# KiCad board main.kicad_pcb (continued)
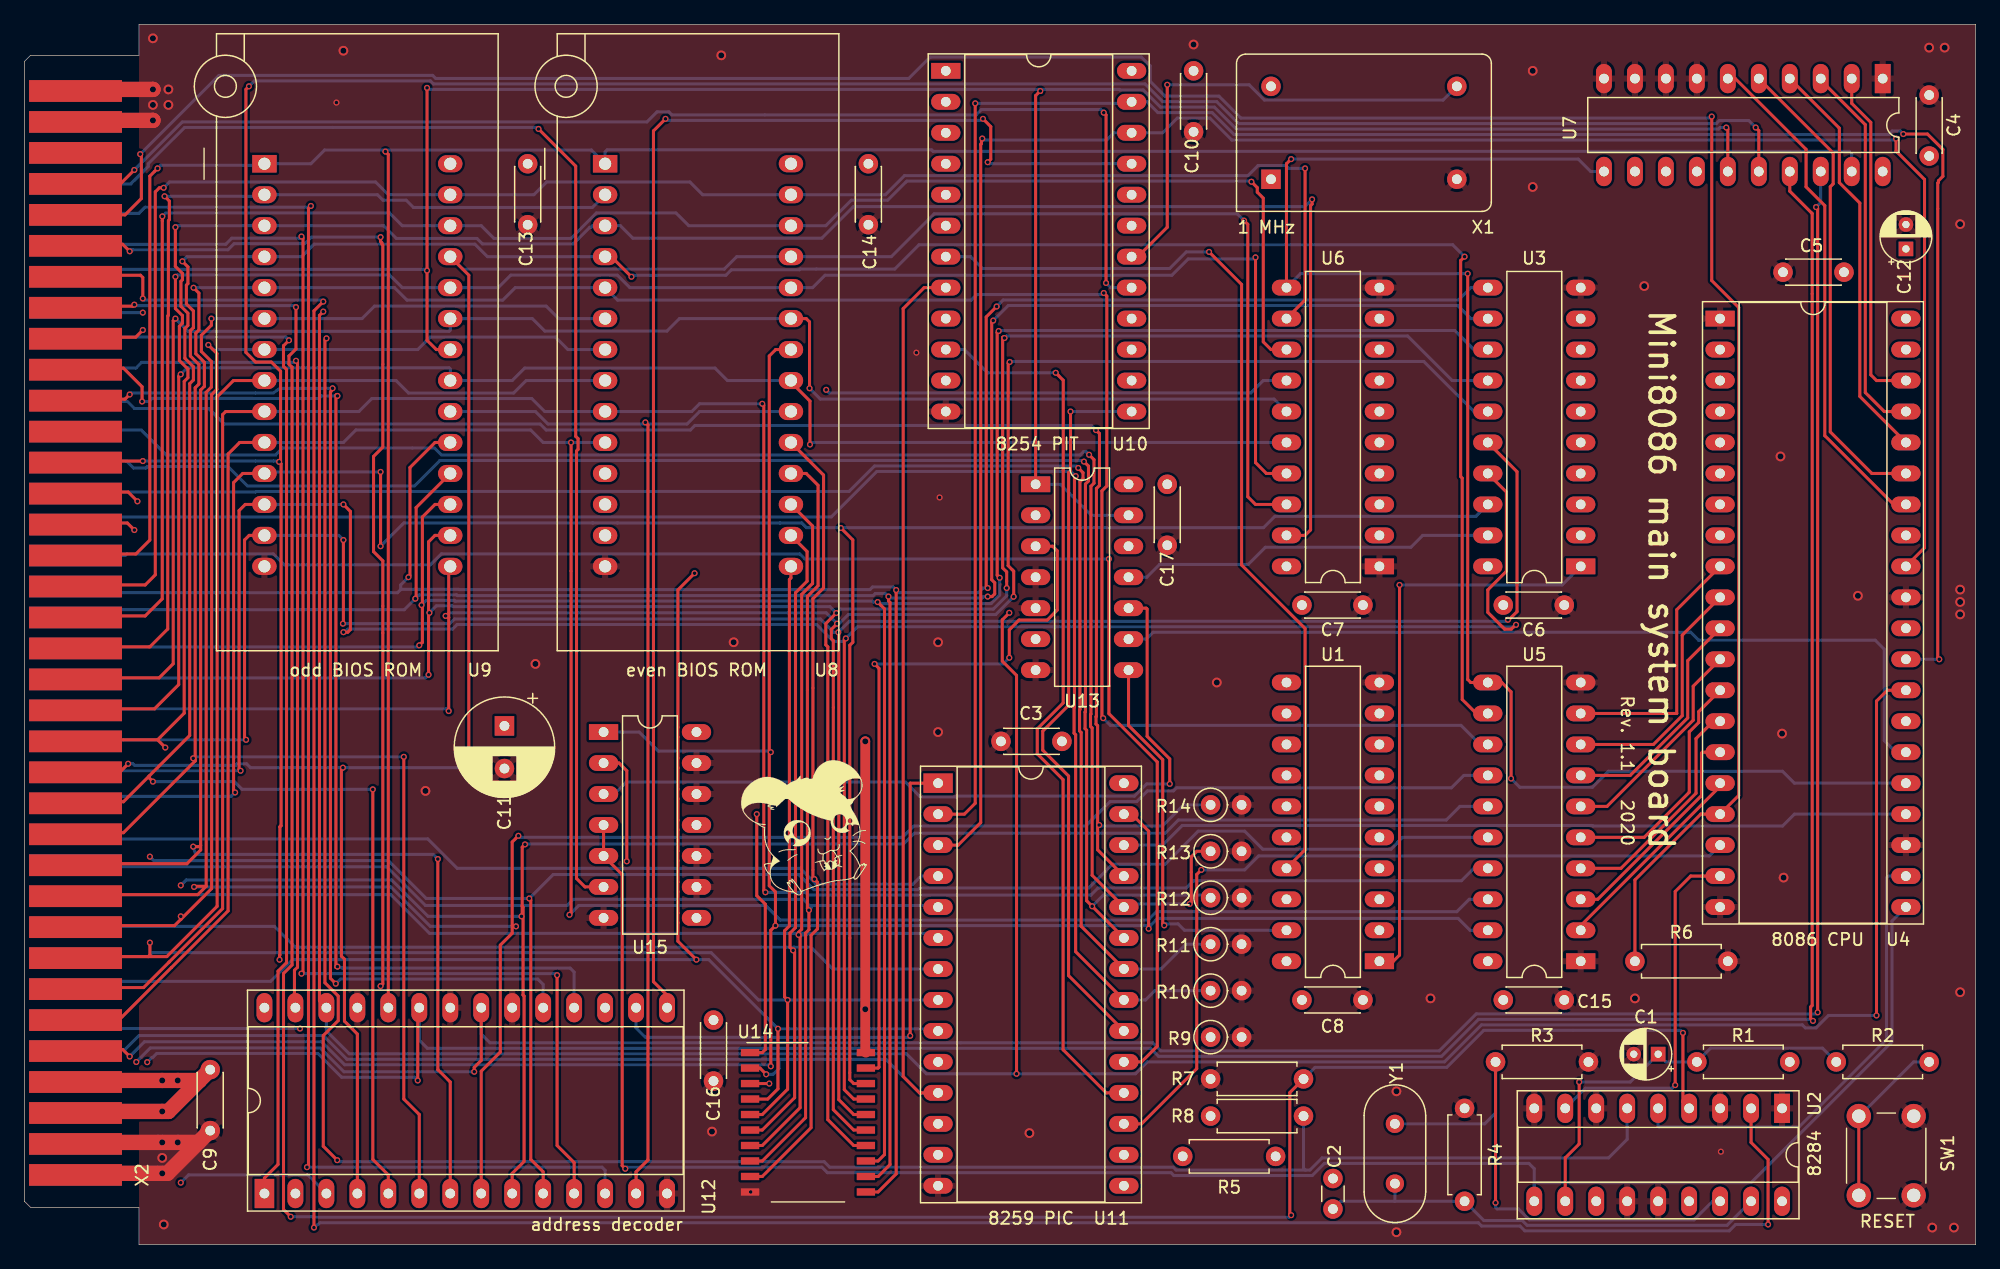
[diagram p0: board, top side]
## Routing (per net, layer and track width the routed paths; a pad name or vN(x,y) marks a point on that pad's centre or on a via; arc(x,y) is an arc through that point) (continued)
  In1.Cu w0.25: v2(10.29,31.82) v2(10.29,24.77)
  Bottom w0.25: v2(10.29,31.82) 10.61,31.5 29.85,31.5 32.95,28.39 v2(41.4,28.39) 43.37,30.35 63.5,30.35 64.74,29.11 73.31,29.11 73.45,29.25 87.29,29.25 88.64,30.61 88.64,30.63 89.22,31.2 93.56,31.2 96.27,33.91 100.08,33.91 101.56,32.43 112.08,32.43 112.65,33 112.65,33.02 113.03,33.4 U5.16 ; U8.8 41.15,70.87 40.12,69.84 31.51,69.84 30.48,70.87 U9.8
A4: length 233.6
  Top w0.25: 40.83,27.75 40.89,27.69 40.89,20.47 40.98,20.38 40.98,6.82 40.01,5.84 U12.9 ; 40.83,27.75 40.83,32.6 v2(41.06,32.83) ; 40.83,27.75 40.83,26.98 v2(40.77,26.92) ; 12.83,26.67 15.36,29.2 15.36,69.71 15.79,70.14 15.79,73.09 v2(15.09,73.79) ; 12.83,26.67 12.32,26.16 4.06,26.16 ; 12.83,26.67 v2(12.83,26.92)
  In1.Cu w0.25: v2(12.83,29.46) v2(12.83,26.92)
  Bottom w0.25: v2(40.77,26.92) 33.1,26.92 30.11,29.91 13.28,29.91 v2(12.83,29.46) ; v2(15.09,73.79) 15.47,73.41 U9.7 32.26,73.41 33.28,74.43 43.55,74.43 44.58,73.41 U8.7 ; v2(41.06,32.83) 41.1,32.87 72.11,32.87 72.99,33.74 93.56,33.74 94.64,34.83 116.61,34.83 117.73,35.94 U5.15
A5: length 233
  Top w0.25: 4.06,28.7 14.22,28.7 14.91,29.39 ; 14.91,29.39 13.96,29.39 v2(13.91,29.34) ; 14.91,29.39 14.91,69.9 15.34,70.33 15.34,72.43 14.51,73.25 14.51,74.58 15.34,75.4 v2(15.34,75.95) ; 40.01,26.16 40.01,25.54 39.03,24.56 39.03,15.79 37.46,14.22 U12.8 ; 40.01,26.16 40.06,26.1 v2(40.32,26.1) ; 40.01,26.16 40.01,33.02 v2(40.51,33.53)
  Bottom w0.25: v2(15.34,75.95) U9.6 27.69,75.95 28.71,76.97 42.79,76.97 43.82,75.95 U8.6 ; v2(40.32,26.1) 33.29,26.1 30.05,29.34 v2(13.91,29.34) ; U5.14 118.05,38.48 117.04,37.47 94.49,37.47 94.23,37.21 92.1,37.21 91.23,36.34 89.04,36.34 87.04,34.33 72.94,34.33 72.01,33.41 40.64,33.41 v2(40.51,33.53)
A6: length 250.7
  Top w0.25: v2(13.84,32.64) 14.35,32.64 14.46,32.74 ; 14.46,32.74 14.46,70.09 14.76,70.39 14.76,72.37 14.06,73.07 14.06,74.76 14.31,75.01 14.31,78.04 v2(13.87,78.48) ; 14.46,32.74 14.46,32.36 13.34,31.24 4.06,31.24 ; U12.7 34.93,13.33 33.91,14.35 v2(33.91,31.62) ; v2(88.52,78.04) 88.77,77.8 88.77,62.22 88.37,61.81 88.37,43.28 v2(88.47,43.18)
  Bottom w0.25: U5.13 119.38,41.02 117.82,42.59 89.06,42.59 v2(88.47,43.18) ; v2(33.91,31.62) 33.53,32 14.04,32 v2(13.84,32.64) ; v2(13.87,78.48) 13.88,78.49 U9.5 30.35,78.49 31.38,77.46 39.23,77.46 40.26,78.49 U8.5 48.65,77.46 77.64,77.46 78.1,77.92 88.39,77.92 v2(88.52,78.04)
A7: length 255.7
  Top w0.25: U8.4 48.13,81.03 v2(49.78,79.38) ; 14.01,39.66 14.01,70.27 14.31,70.58 14.31,72.18 13.61,72.88 13.61,74.95 13.86,75.2 13.86,76.57 13.29,77.15 13.29,78.69 13.41,78.82 13.41,80.19 v2(12.95,80.64) ; 14.01,39.66 8.12,33.78 4.06,33.78 ; 14.01,39.66 14.01,39.72 v2(13.84,39.89) ; v2(31.12,40) 31.12,11.94 32.38,10.67 U12.6 ; v2(118.11,81.03) 117.79,80.7 117.79,62.99 117.91,62.86 117.91,44.71 119.06,43.56 U5.12
  Bottom w0.25: v2(118.11,81.03) 117.13,82 73.37,82 71.38,80.01 63.63,80.01 63.57,79.95 57.98,79.95 57.53,79.5 49.91,79.5 v2(49.78,79.38) ; v2(12.95,80.64) 13.34,81.03 U9.4 22.73,81.03 23.76,82.05 36.95,82.05 37.97,81.03 U8.4 ; v2(13.84,39.89) 13.96,40 v2(31.12,40)
A8: length 232.6
  Top w0.25: v2(12.39,83.44) 12.38,83.43 12.38,80.23 12.96,79.65 12.96,79.13 12.84,79 12.84,76.96 13.41,76.39 13.41,75.39 13.16,75.14 13.16,72.69 13.86,71.99 13.86,70.91 13.56,70.61 13.56,41.75 10.22,38.42 ; 4.06,36.32 8.12,36.32 10.22,38.42 ; v2(28.58,37.34) 28.58,6.98 29.85,5.72 U12.5 ; v2(105.61,85.72) 105.61,85.34 105.48,85.22 105.48,58.62 105.03,58.17 103.51,58.17 ; v2(10.54,37.97) 10.22,38.29 10.22,38.42
  Bottom w0.25: v2(10.54,37.97) 17.22,37.97 17.86,37.34 v2(28.58,37.34) ; v2(105.61,85.72) 105.01,85.13 67.99,85.13 65.4,82.54 49.9,82.54 48.88,83.57 U8.3 46.61,83.57 46.48,83.44 46.38,83.44 45.01,82.07 37.56,82.07 37.11,82.52 30.51,82.52 29.46,83.57 U9.3 12.51,83.57 v2(12.39,83.44)
A9: length 204.8
  Top w0.25: v2(36.45,39.12) 36.45,79.5 U9.25 ; 4.06,38.86 7.93,38.86 v2(8.51,39.44) ; U12.4 27.3,17.27 26.25,18.33 26.25,23.41 26,23.66 26,38.99 v2(26.12,39.12) ; v2(100.03,83.98) 100.33,83.68 100.33,61.34 100.97,60.71 103.51,60.71
  Bottom w0.25: v2(36.45,39.12) 18.54,39.12 18.22,39.44 17.46,39.44 17.33,39.31 9.02,39.31 8.89,39.44 v2(8.51,39.44) ; v2(100.03,83.98) 99.47,84.54 74.61,84.54 71.1,81.03 U8.25 58.42,81.03 57.39,80 35.95,80 U9.25
A10: length 209.9
  Top w0.25: v2(100.97,80.97) 100.97,64.13 101.85,63.25 103.51,63.25 ; v2(11.56,40.77) 10.92,41.4 ; 10.92,41.4 13.11,43.59 13.11,70.79 13.41,71.1 13.41,71.81 12.71,72.51 12.71,75.32 12.96,75.57 12.96,76.19 12.39,76.77 v2(12.39,79.38) ; 10.92,41.4 4.06,41.4
  In1.Cu w0.25: v2(11.56,40.77) 11.56,15.48 9.65,13.57 9.65,6.22 10.8,5.08 v2(12.83,5.08)
  Bottom w0.25: v2(100.97,80.97) 100.84,80.84 95.44,80.84 94.11,79.5 65.66,79.5 64.64,78.49 U8.24 49.66,78.49 48.63,79.51 39.89,79.51 38.86,78.49 U9.24 30.99,78.49 29.94,79.53 12.54,79.53 v2(12.39,79.38) ; v2(12.83,5.08) 13.46,5.72 23.24,5.72 U12.3
A11: length 132.1
  Top w0.25: v2(12.82,71.37) 12.66,71.21 12.66,45.93 10.67,43.94 4.06,43.94 ; v2(64.43,65.62) 64.43,69.18 62.87,70.74 U8.21
  Bottom w0.25: U8.21 57.66,70.87 56.63,71.89 41.03,71.89 40.01,70.87 U9.21 34.93,71.82 34.83,71.91 13.36,71.91 v2(12.82,71.37) ; 103.51,65.79 64.59,65.79 v2(64.43,65.62)
A12: length 136.7
  Top w0.25: v2(12.39,75.95) 12.21,75.77 12.21,47.64 11.05,46.48 4.06,46.48 ; v2(64.39,70.23) 64.39,75.67 64.12,75.95 U8.23
  Bottom w0.25: v2(64.39,70.23) 65.27,69.35 102.48,69.35 103.51,68.33 ; v2(12.39,75.95) 13.43,74.9 34.83,74.9 34.93,75 U9.23 41.66,75.95 42.68,74.92 52.7,74.92 53.72,75.95 U8.23
A13: length 151.7
  Top w0.25: v2(11.5,85.98) 11.89,85.59 11.89,84.05 11.81,83.98 11.81,76.22 11.76,76.17 11.76,50.49 10.29,49.02 4.06,49.02
  In1.Cu w0.25: U8.2 53.21,86.11 54.54,84.78 64.06,84.78 65.75,83.09 v2(65.75,70.1)
  Bottom w0.25: v2(11.5,85.98) 19.56,85.98 U9.2 28.96,86.11 29.41,85.66 31.31,85.66 31.91,85.06 46.58,85.06 U8.2 ; v2(65.75,70.1) 66,69.85 100.59,69.85 101.6,70.87 103.51,70.87
A14: length 148
  Top w0.25: v2(11.31,84.33) 11.31,83.97 11.31,83.97 11.31,52.96 9.91,51.56 4.06,51.56 ; 103.51,73.41 102.24,73.41 101.6,74.04 101.6,85.83 101.11,86.32 101.11,86.69 v2(100.63,87.17)
  Bottom w0.25: v2(100.63,87.17) 100.58,87.22 72.36,87.22 70.8,85.66 67.82,85.66 65.73,83.57 U8.26 54.48,83.57 53.44,84.61 46.91,84.61 44.82,82.52 38.51,82.52 37.46,83.57 U9.26 30.99,83.57 29.94,84.61 11.6,84.61 v2(11.31,84.33)
A15: length 148.4
  Top w0.25: v2(105.03,88.26) 105.03,88.26 105.03,77.47 103.51,75.95 ; 4.06,54.1 9.91,54.1 10.74,54.93 10.74,86.34 11.07,86.68 v2(11.42,86.68)
  Bottom w0.25: v2(11.42,86.68) 11.9,87.15 28.8,87.15 29.85,86.11 U9.27 41.78,86.11 42.83,87.15 54.58,87.15 55.63,86.11 U8.27 70.61,86.11 72.18,87.67 100.34,87.67 101.17,88.5 103.43,88.5 103.67,88.26 v2(105.03,88.26)
A16: length 250.4
  Top w0.25: v2(29.61,89.65) 29.85,89.41 U12.24 ; v2(10.92,88.26) 10.29,87.63 10.29,57.78 9.14,56.64 4.06,56.64
  Bottom w0.25: v2(10.92,88.26) 11.18,88.52 19.56,88.52 U9.1 23.49,88.65 24.62,89.77 46.5,89.77 U8.1 47.63,89.62 47.8,89.79 74.4,89.79 74.52,89.66 149.66,89.66 149.86,89.46 U7.19
A17: length 266.3
  Top w0.25: U12.21 37.46,15.1 36.89,14.53 v2(36.89,14.18) ; v2(9.02,58.61) 8.44,59.18 4.06,59.18 ; v2(146.94,85.09) 147.07,84.96 v2(147.07,19.05)
  In1.Cu w0.25: v2(9.18,14.98) 9.27,15.07 9.27,58.36 v2(9.02,58.61)
  Bottom w0.25: v2(146.94,85.09) 147.32,85.47 U7.18 ; v2(36.89,14.18) 26.21,14.18 24.25,16.13 10.33,16.13 v2(9.18,14.98) ; U12.21 37.46,17.27 38.19,16.55 92.54,16.55 93.2,15.89 116.03,15.89 119.06,18.92 146.94,18.92 v2(147.07,19.05)
A18: length 270.6
  Top w0.25: v2(146.68,18.35) 146.49,18.54 146.49,19.49 146.62,19.62 146.62,84.56 144.78,86.4 U7.17 ; v2(9.27,60.96) 8.51,61.72 4.06,61.72 ; v2(32.26,13.46) 32.26,19.3 U12.23
  In1.Cu w0.25: v2(10.07,14.96) 9.72,15.32 9.72,60.51 v2(9.27,60.96)
  Bottom w0.25: v2(32.26,13.46) 31.99,13.73 26.02,13.73 24.07,15.68 10.85,15.68 10.53,15.36 10.47,15.36 v2(10.07,14.96) ; v2(146.68,18.35) 146.56,18.47 119.25,18.47 116.22,15.44 93.01,15.44 92.36,16.1 33.05,16.1 32.38,16.76 U12.23
A19: length 240.3
  Top w0.25: U7.16 142.24,91.36 v2(141.99,91.62) ; v2(18.41,95) 18.17,94.75 18.17,73.18 18.96,72.38 20.26,72.38 21.01,71.63 21.01,64.32 v2(20.89,64.2) 21.05,64.04 21.05,34.36 ; v2(9.71,64.26) 4.06,64.26 ; 20.96,34.26 20.96,23.75 20.92,23.72 v2(20.92,23.37) ; 20.96,34.26 21.05,34.36 ; 20.96,34.26 21.05,34.36
  In1.Cu w0.25: U12.2 21.33,4.19 21.21,4.31 21.21,23.08 v2(20.92,23.37)
  Bottom w0.25: v2(18.41,95) 18.86,95.44 33.3,95.44 33.55,95.19 91.9,95.19 93.36,93.74 97.78,93.74 99.58,91.94 138.75,91.94 139,92.19 141.41,92.19 v2(141.99,91.62) ; v2(20.89,64.2) 20.83,64.26 20.42,64.26 20.41,64.27 18.96,64.27 18.95,64.26 v2(9.71,64.26)
AD0: length 34.1
  Top w0.25: U4.16 139.06,37.59 127.64,26.16 U5.2
  In1.Cu w0.25: U5.2 124.46,25.78 123.48,26.76 116.04,26.76 115.06,25.78 U1.2
AD1: length 35.8
  Top w0.25: U4.15 137.62,40.39 137.54,40.31 137.54,36.83 129.03,28.32 U5.3
  In1.Cu w0.25: U1.3 115.82,28.32 116.8,29.3 122.72,29.3 123.7,28.32 U5.3
AD2: length 36.4
  Top w0.25: U5.4 130.93,30.86 137.09,37.02 137.09,41.5 138.52,42.93 U4.14
  In1.Cu w0.25: U1.4 115.57,30.86 116.55,31.84 122.72,31.84 123.7,30.86 U5.4
AD3: length 37.2
  Top w0.25: U4.13 137.31,43.71 137.31,42.82 136.54,42.05 136.54,37.1 132.84,33.4 U5.5
  In1.Cu w0.25: U5.5 123.95,33.4 122.98,34.38 116.55,34.38 115.57,33.4 U1.5
AD4: length 35.4
  Top w0.25: U4.12 136.86,45.8 136.86,43.01 129.79,35.94 U5.6
  In1.Cu w0.25: U1.6 115.32,35.94 116.29,36.92 123.23,36.92 124.21,35.94 U5.6
AD5: length 36.5
  Top w0.25: U4.11 136.41,47.89 136.41,43.2 131.69,38.48 U5.7
  In1.Cu w0.25: U1.7 115.06,38.48 116.04,39.46 123.48,39.46 124.46,38.48 U5.7
AD6: length 37.6
  Top w0.25: U5.8 133.6,41.02 135.96,43.38 135.96,49.98 U4.10
  In1.Cu w0.25: U5.8 124.46,41.02 123.48,42 116.04,42 115.06,41.02 U1.8
AD7: length 38.7
  Top w0.25: U5.9 135.5,43.56 135.51,43.57 135.51,52.07 139.06,55.63
  In1.Cu w0.25: U1.9 115.06,43.56 116.04,44.54 123.74,44.54 124.71,43.56 U5.9
AD8: length 28.7
  In1.Cu w0.25: U6.2 112.65,58.17 113.62,59.14 124.37,59.14 125.35,58.17 U3.2 U4.8
AD9: length 28.7
  In1.Cu w0.25: U4.7 U3.3 125.35,60.71 124.37,61.68 113.62,61.68 112.65,60.71 U6.3
AD10: length 28.7
  In1.Cu w0.25: U4.6 U3.4 125.09,63.25 124.12,64.22 113.62,64.22 112.65,63.25 U6.4
AD11: length 28.7
  In1.Cu w0.25: U4.5 U3.5 125.09,65.79 124.12,66.76 113.62,66.76 112.65,65.79 U6.5
AD12: length 28.7
  In1.Cu w0.25: U6.6 112.65,68.33 113.62,69.3 124.12,69.3 125.09,68.33 U3.6 U4.4
AD13: length 28.7
  In1.Cu w0.25: U6.7 112.65,70.87 113.62,71.84 124.12,71.84 125.09,70.87 U3.7 U4.3
AD14: length 28.7
  In1.Cu w0.25: U4.2 U3.8 125.35,73.41 124.37,74.38 113.62,74.38 112.65,73.41 U6.8
AD15: length 45
  In1.Cu w0.25: U6.9 112.65,75.95 113.62,74.97 124.37,74.97 125.35,75.95 U3.9 129.67,75.95 131.23,74.38 151.81,74.38 152.78,73.41 U4.39
AD16: length 28
  Top w0.25: U4.38 151.89,70.87 151.42,71.33 151.42,92.03 149.86,93.6 U7.2
AD17: length 31.2
  Top w0.25: U7.3 147.32,95.5 150.97,91.85 150.97,69.88 152.53,68.33 U4.37
AD18: length 33.8
  Top w0.25: U7.4 148.84,91.57 148.84,87.1 150.52,85.42 150.52,69.57 U4.36
AD19: length 39.2
  Top w0.25: U7.5 148.34,89.53 148.34,87 148.1,86.76 148.1,66.66 151.51,63.25 U4.35
D0: length 242.3
  Top w0.25: 59.51,14.48 60.33,14.48 v2(60.83,13.97) ; U11.11 73.41,12.45 72.07,13.78 72.07,76.77 73.79,78.49 U10.8
  In1.Cu w0.25: U11.11 76.46,12.45 82.51,18.5 93.05,18.5 98.7,24.15 98.7,25.18 99.93,26.42 100.46,26.42 102.36,28.32 103.51,28.32 ; U8.11 45.85,61.47 45.85,55.64 47.81,53.68 63.95,53.68 69.48,59.21 69.48,76.21 71.75,78.49 U10.8
  Bottom w0.25: 4.06,16 8.26,16 9.4,17.14 24.51,17.14 26.45,15.2 61.89,15.2 ; v2(60.83,13.97) 61.41,13.97 61.89,14.45 61.89,15.2 ; U11.11 73.41,12.45 70.65,15.2 61.89,15.2
D1: length 244.3
  Top w0.25: v2(97.16,81.42) 99.82,78.75 99.82,55.74 105.03,50.53 105.03,32.39 103.51,30.86 ; U14.3 v2(61.09,13.21)
  In1.Cu w0.25: 61.98,15.24 60.81,15.24 60.55,14.99 25.4,14.99 22.67,17.72 v2(22.61,17.72) ; 61.98,15.24 61.79,15.05 61.79,13.91 v2(61.09,13.21) ; 61.98,15.24 74.68,15.24 74.93,14.99 78.36,14.99 84.42,21.04 92.04,21.04 97.87,26.87 99.91,26.87 103.51,30.47 103.51,30.86 ; U10.7 73.66,81.03 69.03,76.4 69.03,59.4 63.76,54.13 51.02,54.13 48.03,57.12 46.91,57.12 46.3,57.73 46.3,59.38 U8.12
  Bottom w0.25: v2(97.16,81.42) 95.29,81.42 93.92,80.05 78.57,80.05 77.6,81.03 U10.7 ; v2(22.61,17.72) 4.89,17.72 4.06,18.54
D2: length 202.4
  Top w0.25: v2(54.96,55.06) 53.59,53.69 53.59,42.44 53.59,42.44 53.59,41.63 53.59,41.63 53.59,39.9 53.59,39.9 53.59,39.09 53.59,39.09 53.59,37.36 53.59,37.36 53.59,36.55 53.59,36.55 53.59,34.82 53.59,34.82 53.59,34.01 53.59,34.01 53.59,32.28 53.59,32.28 53.59,31.47 53.59,31.47 53.59,29.74 53.59,29.74 53.59,28.93 53.59,28.93 53.59,27.2 53.59,27.2 53.59,26.39 53.59,26.39 53.59,24.88 v2(55.11,23.37) ; v2(61.8,17.7) 61.8,12.78 60.96,11.94 U14.4
  In1.Cu w0.25: 74.93,17.53 80.26,17.53 86.32,23.58 93.81,23.58 97.55,27.32 97.82,27.32 98.41,27.91 98.41,28.94 102.87,33.4 103.51,33.4 ; 54.71,54.58 63.58,54.58 68.58,59.58 68.58,76.58 75.56,83.57 75.56,83.57 ; 54.71,54.58 51.21,54.58 U8.13 ; 54.71,54.58 54.71,54.81 v2(54.96,55.06)
  Bottom w0.25: 55.11,23.38 v2(55.11,23.37) ; 55.11,23.38 56.13,23.38 v2(61.8,17.7) 74.76,17.7 74.93,17.53 ; 55.11,23.38 21.98,23.38 20.19,21.59 4.57,21.59 4.06,21.08
D3: length 192.3
  Top w0.25: U8.15 62.87,54.68 62.74,54.55 62.74,26.13 62.34,25.74 62.34,20.32 v2(62.59,20.07) 62.59,12.75 60.51,10.67 U14.5
  In1.Cu w0.25: U8.15 68.13,60.89 68.13,76.77 72.41,81.05 72.41,84.73 73.79,86.11 U10.5 ; 103.51,35.94 101.55,35.94 98.41,32.8 98.41,31.77 96.8,30.16 95.31,30.16 91.27,26.12 82.44,26.12 76.38,20.07 U11.8
  Bottom w0.25: 4.06,23.62 10.16,23.62 10.48,23.94 56.32,23.94 60.2,20.07 v2(62.59,20.07) U11.8
D4: length 199.7
  Top w0.25: U8.16 64.19,56.84 64.19,54.41 63.24,53.46 63.24,26 62.79,25.55 62.79,24.38 v2(63.04,24.13) 63.17,24.01 63.17,12.05 60.51,9.4 U14.6
  In1.Cu w0.25: 74.93,22.61 78.23,22.61 84.29,28.66 88.53,28.66 89.12,29.25 91.73,29.25 92.6,30.11 92.6,33.05 98.03,38.48 103.51,38.48 ; U8.16 64.64,58.17 67.68,61.2 67.68,76.96 71.96,81.24 71.96,87.33 73.28,88.65 75.56,88.65
  Bottom w0.25: 63.11,24.39 64.51,24.39 66.29,22.61 74.93,22.61 ; 63.11,24.39 22.22,24.39 20.51,26.1 4.13,26.1 ; 63.11,24.39 63.11,24.2 v2(63.04,24.13)
D5: length 204
  Top w0.25: U8.17 64.64,58.93 64.64,54.22 63.74,53.33 63.74,25.87 63.49,25.61 v2(63.49,25.4) 63.62,25.28 63.62,11.23 60.51,8.13 59.51,8.13
  In1.Cu w0.25: U10.3 73.79,91.19 71.51,88.91 71.51,81.43 67.23,77.14 67.23,61.39 66.55,60.71 U8.17 ; 103.51,41.02 99.93,41.02 92.15,33.23 92.15,32.18 91.31,31.34 89.03,31.34 86.94,29.25 80.48,29.25 76.38,25.15 U11.6
  Bottom w0.25: 64.26,25.53 33.23,25.53 30.05,28.7 4.06,28.7 ; 64.26,25.53 64.13,25.4 v2(63.49,25.4) ; 64.26,25.53 74.55,25.53 U11.6
D6: length 208.9
  Top w0.25: U14.8 60.51,6.86 64.07,10.41 64.07,25.55 64.34,25.83 v2(64.34,27.43) 64.22,27.56 64.22,53.16 65.09,54.04 65.09,62.27 64.12,63.25 U8.18
  In1.Cu w0.25: 74.93,27.69 76.38,27.69 79.9,31.2 87.94,31.2 88.53,31.79 91.12,31.79 91.7,32.36 91.7,33.42 101.84,43.56 103.51,43.56 ; U8.18 65.47,63.25 66.78,64.56 66.78,77.33 71.06,81.61 71.06,92.65 72.14,93.73 U10.2
  Bottom w0.25: 74.93,27.69 74.8,27.81 64.52,27.81 ; 4.32,30.99 29.72,30.99 32.89,27.81 44.51,27.81 45.02,28.32 63.88,28.32 64.39,27.81 64.52,27.81 ; v2(64.34,27.43) 64.52,27.61 64.52,27.81
D7: length 210.3
  Top w0.25: U14.9 60.51,5.59 64.52,9.59 64.52,25.37 65.04,25.89 65.04,29.72 v2(64.79,29.97) 64.67,30.1 64.67,52.98 65.54,53.85 65.54,63.11 U8.19
  In1.Cu w0.25: 103.51,46.1 101.4,46.1 92.16,36.87 83.02,36.87 76.38,30.23 U11.4 ; U10.1 74.04,96.27 70.61,92.84 70.61,81.8 66.33,77.52 66.33,68.55 63.56,65.79 U8.19
  Bottom w0.25: 64.93,29.56 64.93,29.84 v2(64.79,29.97) ; 64.93,29.56 63.63,30.86 35.5,30.86 33.08,33.27 4.57,33.27 4.06,33.78 ; 64.93,29.56 72.87,29.56 73.53,30.23 U11.4
D8: length 197.3
  Top w0.25: U14.18 68.01,13.21 67.69,13.53 67.69,49.15 67.94,49.4 67.94,57.79 v2(66.96,58.77) ; U9.11 17.91,63.25 17.16,62.5 17.16,37.21 v2(17.28,37.08) ; v2(29.21,57.28) v2(29.21,63.37)
  Bottom w0.25: U3.18 119.04,59.73 102.55,59.73 101.62,58.8 64.13,58.8 63.74,59.19 61.99,59.19 61.98,59.18 48.64,59.18 48.63,59.19 46.62,59.19 46.61,59.18 46.6,59.19 31.12,59.19 v2(29.21,57.28) ; v2(29.21,63.37) 19.81,63.37 U9.11 ; 4.06,36.32 4.51,36.77 16.96,36.77 v2(17.28,37.08)
D9: length 207.4
  Top w0.25: U14.17 68.01,11.94 67.24,12.71 67.24,49.59 v2(67.37,49.71) ; v2(122.33,50.83) 122.3,50.83 121.94,50.48 121.39,50.48 120.02,51.85 120.02,53.7 121.54,55.22 121.54,61.72 U3.17 ; v2(26.16,60.71) 26.74,60.13 26.74,50.45 26.52,50.23 v2(26.17,50.23) ; v2(17.73,38.86) 17.61,38.99 17.61,60.2 18.11,60.71 U9.12
  Bottom w0.25: v2(26.17,50.23) 26.26,50.23 26.51,50.48 35.11,50.48 35.49,50.86 64.97,50.86 66.36,49.46 67.12,49.46 v2(67.37,49.71) 68.32,50.67 122.17,50.67 v2(122.33,50.83) ; v2(17.73,38.86) 4.06,38.86 ; v2(26.16,60.71) U9.12
D10: length 199.4
  Top w0.25: v2(18.18,41.4) 18.06,41.53 18.06,57.79 18.44,58.17 U9.13 ; U14.16 68.01,10.67 66.79,11.89 66.79,50.18 v2(66.75,50.22) ; v2(26.12,50.93) 26.16,50.96 v2(26.16,57.78) ; U3.16 122.41,63.39 122.41,51.91 121.75,51.25 v2(121.67,51.25)
  Bottom w0.25: v2(121.67,51.25) 121.54,51.12 67.66,51.12 v2(66.75,50.22) 66.37,50.22 65.28,51.31 35.27,51.31 34.89,50.93 v2(26.12,50.93) ; v2(26.16,57.78) 25.78,58.17 U9.13 ; v2(18.18,41.4) 4.06,41.4
D11: length 194.9
  Top w0.25: v2(34.54,51.56) 34.67,51.56 34.8,51.44 ; v2(81.13,53.14) 81.13,53.14 81.13,55.23 80.68,55.69 80.68,72.3 80.77,72.39 v2(80.8,72.39) ; 34.8,51.44 34.8,55.5 U9.15 ; 34.8,51.44 v2(34.8,43.76) ; v2(66.65,50.92) 66.18,50.45 66.18,49.69 66.34,49.53 66.34,11.07 68.01,9.4 U14.15
  Bottom w0.25: 4.06,43.94 34.62,43.94 v2(34.8,43.76) ; v2(80.8,72.39) 80.84,72.43 114.77,72.43 118.87,68.33 U3.15 ; v2(34.54,51.56) 34.8,51.82 65.75,51.82 v2(66.65,50.92) 66.65,50.93 66.83,50.93 67.57,51.67 79.66,51.67 v2(81.13,53.14)
D12: length 199.2
  Top w0.25: v2(33.15,46.74) 33.15,57.64 33.68,58.17 U9.16 ; 69.01,8.13 68.01,8.13 65.89,10.25 65.89,49.02 65.73,49.19 65.73,50.94 v2(66.59,51.8) ; v2(80.38,74.35) 80.31,74.42 80.25,74.42 80.23,74.4 80.23,55.5 80.56,55.17 v2(80.56,53.85)
  Bottom w0.25: v2(80.38,74.35) 80.54,74.52 113.44,74.52 117.09,70.87 U3.14 ; v2(33.21,51.82) 33.79,52.39 35.07,52.39 35.14,52.32 66.06,52.32 v2(66.59,51.8) 66.91,52.12 79.47,52.12 80.56,53.21 v2(80.56,53.85) ; v2(33.15,46.74) 32.89,46.48 4.06,46.48
D13: length 199.6
  Top w0.25: U14.13 70.01,6.86 70.54,7.38 70.54,52.14 v2(69.98,52.7) ; 79.78,74.83 79.88,74.93 v2(79.9,74.93) 79.78,74.8 79.78,54.89 v2(79.98,54.69) ; U9.17 33.68,60.71 32.64,59.67 32.64,49.4 v2(32.39,49.15)
  Bottom w0.25: v2(79.9,74.93) 79.94,74.97 117.31,74.97 118.87,73.41 U3.13 ; 4.06,49.02 32.26,49.02 v2(32.39,49.15) ; v2(79.98,54.69) 79.98,53.28 79.28,52.57 78.59,52.57 ; 78.49,52.57 70.1,52.57 v2(69.98,52.7) 69.62,52.7 69.55,52.77 35.33,52.77 35.26,52.84 32.96,52.84 v2(32.57,52.45)
D14: length 201.2
  Top w0.25: v2(70.87,53.15) 70.87,52.79 70.99,52.67 70.99,6.56 70.01,5.59 U14.12 ; v2(32.06,52.98) 32.13,53.04 32.13,60.45 U9.18 ; v2(79,53.15) 79.36,53.15 79.58,53.37 79.58,54.28 79.33,54.53 79.33,75.66 v2(79.45,75.79)
  Bottom w0.25: 4.06,51.56 4.57,52.07 31.15,52.07 v2(32.06,52.98) 32.38,53.29 35.45,53.29 35.51,53.23 69.61,53.23 69.78,53.4 70.62,53.4 v2(70.87,53.15) 70.99,53.02 78.52,53.02 78.65,53.15 v2(79,53.15) ; v2(79.45,75.79) 80.69,77.02 117.54,77.02 118.62,75.95 U3.12
D15: length 205.8
  Top w0.25: v2(71.49,53.69) 71.49,5.8 70.01,4.32 69.01,4.32 ; U9.19 33.68,65.79 31.62,63.73 31.62,54.86 v2(31.5,54.74) ; v2(79,53.85) 78.88,53.97 78.88,76.08 v2(79.73,76.94)
  Bottom w0.25: 4.06,54.1 4.7,53.47 30.61,53.47 30.86,53.72 ; 30.86,53.72 30.86,54.1 v2(31.5,54.74) ; 30.86,53.72 30.88,53.74 35.63,53.74 35.65,53.72 69.34,53.72 69.56,53.94 71.24,53.94 v2(71.49,53.69) 71.49,53.47 71.49,53.47 78.24,53.47 78.61,53.85 v2(79,53.85) ; U3.11 118.62,78.49 117.6,77.47 80.27,77.47 v2(79.73,76.94)
DT_~{R}: length 79.6
  Top w0.25: v2(112.78,54.1) 112.78,23.75 112.27,23.24 U1.1
  In1.Cu w0.25: U4.27 152.91,42.93 141.18,54.65 130.71,54.65 129.73,55.63 U3.1
  Bottom w0.25: U3.1 126.11,54.1 v2(112.78,54.1)
INT: length 67.7
  Top w0.25: 90.17,9.91 91.62,9.91 96.14,14.43 96.14,30.36 v2(96.52,30.73)
  Bottom w0.25: U4.18 138.18,31.88 101.22,31.88 100.08,30.73 v2(96.52,30.73)
IRQ1: length 138.5
  Top w0.25: v2(88.94,56.23) 88.94,43.55 92.91,39.58 92.91,16.27 91.62,14.99 90.17,14.99
  In1.Cu w0.25: 90.17,14.99 91.57,14.99 93.6,17.02 R9.1
  Bottom w0.25: X2.57 8.25,56.52 8.39,56.65 20.41,56.65 21.31,55.75 33.3,55.75 34.2,56.65 63.59,56.65 64.01,56.23 v2(88.94,56.23)
IRQ3: length 136.2
  Top w0.25: U11.21 86.22,24.02 86.22,41.82 86.08,41.95 86.08,44.04 86.12,44.08 86.12,62.93 v2(86.22,63.03)
  Bottom w0.25: R10.1 92.71,20.83 91.95,20.07 U11.21 ; v2(86.22,63.03) 85.84,63.41 69.91,63.41 66.18,59.68 4.56,59.68 4.06,59.18
IRQ4: length 134.1
  Top w0.25: v2(86.43,63.7) 86.82,63.31 86.82,62.82 86.57,62.57 86.57,43.89 86.53,43.86 86.53,42.13 86.67,42 86.67,26.11 90.17,22.61
  Bottom w0.25: 4.06,61.72 18.95,61.72 19,61.77 67.63,61.77 69.72,63.86 86.26,63.86 v2(86.43,63.7) ; 90.17,22.61 93.22,22.61 95.25,24.64 R11.1
IRQ5: length 135.5
  Top w0.25: U11.23 v2(87.57,27.75) 87.12,28.2 87.12,42.19 86.98,42.32 86.98,43.67 87.02,43.7 87.02,62.38 87.27,62.63 87.27,63.85 v2(86.9,64.22)
  Bottom w0.25: R12.1 97.07,28.66 88.48,28.66 v2(87.57,27.75) ; 4.06,64.26 8.38,64.26 8.96,63.69 9.97,63.69 10.09,63.81 16.71,63.81 18.3,62.22 31.99,62.22 34.08,64.31 86.8,64.31 v2(86.9,64.22)
IRQ6: length 134.5
  Top w0.25: v2(95.57,27.94) 95.69,28.06 95.69,31.8 96.15,32.26 R13.1 ; 90.17,27.69 87.57,30.29 87.57,42.37 87.43,42.51 87.43,43.48 87.47,43.52 87.47,62.2 87.72,62.45 87.72,64.38 v2(87.32,64.78)
  Bottom w0.25: v2(95.57,27.94) 90.42,27.94 90.17,27.69 ; 4.06,66.8 9.59,66.8 11.64,64.76 20.6,64.76 21.18,65.34 33.63,65.34 34.2,64.76 86.59,64.76 86.86,65.03 87.07,65.03 v2(87.32,64.78)
IRQ7: length 132.6
  Top w0.25: v2(87.88,66.8) 88.17,66.52 88.17,62.26 87.92,62.01 87.92,43.33 87.88,43.3 87.88,42.69 88.02,42.56 88.02,32.38 U11.25
  Bottom w0.25: v2(87.88,66.8) 87.5,67.18 54.99,67.18 54.62,66.81 42.79,66.81 42.3,67.3 16.39,67.3 15.12,68.57 9.02,68.57 8.45,69.15 4.26,69.15 ; v2(88.14,34.41) 88.22,34.33 93.33,34.33 95.07,36.07 R14.1
M_~{IO}: length 291.6
  Top w0.25: v2(81.37,14.01) 81.37,46.69 80.2,47.86 80.2,51.24 v2(80.77,51.82) ; U4.28 152.78,45.47 151.89,44.58 v2(151.89,18.8) ; v2(24.51,76.52) 24.2,76.21 24.2,20 U12.26
  In1.Cu w0.25: v2(24.51,76.52) 24.3,76.31 22,76.31 21.34,76.97 17.4,76.97 16.95,76.52 9.8,76.52 v2(9.71,76.44) ; U13.2 84.33,59.82 84.71,59.44 84.71,52.05 83.88,51.22 81.37,51.22 v2(80.77,51.82)
  Bottom w0.25: U12.26 24.77,17.53 26.64,15.65 72.34,15.65 73.98,14.01 v2(81.37,14.01) 91.12,14.01 92.1,14.99 116.46,14.99 119.5,18.02 145.81,18.02 146.06,17.77 146.93,17.77 147.96,18.8 v2(151.89,18.8) ; 4.59,76.44 v2(9.71,76.44)
NMI: length 219.6
  Top w0.25: X2.32 8.25,84.45 9.59,85.8 9.59,89.34 v2(9.5,89.43) ; v2(138.38,92.52) 138.38,79.07 140.59,76.86 140.59,36.83 U4.17 137.48,35.31 132.08,29.91 R6.1
  Bottom w0.25: v2(138.38,92.52) 138.3,92.44 138.3,92.39 99.77,92.39 97.97,94.19 93.54,94.19 92.33,95.4 92.33,96.67 91.61,97.39 74.28,97.39 72.53,95.64 33.73,95.64 33.48,95.89 15.96,95.89 v2(9.5,89.43)
PCLK: length 228.6
  Top w0.25: v2(9.71,77.6) 9.71,79.31 9.52,79.5 4.06,79.5 ; U2.2 141.61,8.38 143,6.98 v2(143,1.65) ; v2(23.75,1.4) 23.75,76.58 v2(24.51,77.34)
  Bottom w0.25: v2(9.71,77.6) 9.85,77.46 24.37,77.46 24.49,77.34 v2(24.51,77.34) ; v2(23.75,1.4) 24.24,1.8 119.23,1.8 119.51,1.52 122.66,1.52 123.05,1.13 139.82,1.13 140.34,1.65 v2(143,1.65)
RDY1: length 204.3
  Top w0.25: v2(9.71,75.01) 9.13,74.42 4.06,74.42 ; v2(25.65,6.92) 24.51,8.07 24.51,17.14 25.74,18.37 25.74,20.38 24.65,21.48 24.65,74.2 v2(24.77,74.33)
  In1.Cu w0.25: v2(24.77,74.33) 24.34,74.76 9.96,74.76 v2(9.71,75.01)
  Bottom w0.25: 105.05,6.11 104.9,6.26 R8.2 ; 105.05,6.11 94.46,6.11 94.22,6.35 66.04,6.35 65.59,6.8 25.78,6.8 v2(25.65,6.92) ; 105.05,6.11 105.43,6.11 106.43,7.11 129.92,7.11 131.45,8.64 U2.6
RDY2: length 226.9
  Top w0.25: v2(136.02,17.37) 136.02,11.68 U2.4 ; R7.2 103.78,12.46 103.78,2.52 v2(103.89,2.41) ; v2(22.27,76.89) 22.27,73.45 21.7,72.88 21.7,72.21 21.95,71.96 21.95,22.94 21.25,22.24 21.25,2.88 v2(21.84,2.29) ; v2(9.02,77.09) 8.89,76.96 4.06,76.96
  Bottom w0.25: R7.2 105.85,14.54 116.65,14.54 119.68,17.57 135.81,17.57 v2(136.02,17.37) ; v2(21.84,2.29) 23.65,2.29 23.69,2.25 103.72,2.25 v2(103.89,2.41) ; v2(22.27,76.89) 22.15,77.01 9.1,77.01 v2(9.02,77.09)
RESET: length 105.4
  Top w0.25: U15.6 45.97,29.34 45.28,30.03 45.28,65.09 45.41,65.22 45.41,66.1 45.21,66.29 45.21,88.45 v2(42.16,91.5)
  Bottom w0.25: X2.69 8.73,87 10.16,88.43 10.16,88.64 13.14,91.62 42.16,91.62
TMR2: length 104
  Top w0.25: v2(88.52,92.84) 88.7,92.65 v2(88.7,78.87) ; X2.33 7.87,87 v2(9.02,88.14)
  Bottom w0.25: v2(88.7,78.87) 89.09,78.49 U10.17 90.42,78.87 ; v2(88.52,92.84) 88.27,93.09 78.49,93.09 78.05,92.65 53.11,92.65 52.85,92.9 51.88,92.9 51.05,92.07 12.95,92.07 v2(9.02,88.14)
~{BHE}: length 205.3
  Top w0.25: v2(139.57,91.62) 139.7,91.49 U7.15 ; U9.22 33.78,73.41 33.02,74.17 v2(33.02,79.88) v2(33.02,94.87) ; U13.1 82.93,94.23 v2(83.31,94.61) 83.41,94.52
  Bottom w0.25: U13.13 87.5,59.82 84.96,62.36 U13.1 ; v2(33.02,79.88) 32.92,79.98 4.54,79.98 4.06,79.5 ; v2(83.31,94.61) 83.19,94.74 83.06,94.74 ; 83.06,94.74 33.15,94.74 v2(33.02,94.87) ; 83.06,94.74 89.81,94.74 89.85,94.7 91.76,94.7 93.17,93.29 97.59,93.29 99.39,91.49 138.94,91.49 139.06,91.62 v2(139.57,91.62)
~{DEN}: length 83.8
  In1.Cu w0.25: U13.12 89.1,57.28 88.37,56.54 88.37,50.06 88.77,49.66 U13.9
  Bottom w0.25: U13.9 92,49.66 92.57,50.22 136.66,50.22 137.31,49.57 151.79,49.57 152.53,48.83 152.53,41.34 153.48,40.39 U4.26
~{INTA}: length 117.9
  Top w0.25: v2(49.4,31.44) 49.4,38.86 48.77,39.5 U15.2
  In1.Cu w0.25: 90.17,32.77 80.39,32.77 76.88,29.25 73.98,29.25 72.6,30.63 50.21,30.63 v2(49.4,31.44)
  Bottom w0.25: 90.17,32.77 93.34,32.77 94.96,34.38 128.59,34.38 128.63,34.33 144.19,34.33 145.16,35.31 U4.24
~{IO_DBG}: length 108.1
  Top w0.25: v2(29.21,21.2) 29.39,21.38 29.39,56.08 28.63,56.84 28.63,64.65 29.39,65.41 29.39,81.98 29.31,82.07 29.31,82.17 29.21,82.27 v2(29.21,82.63) ; 4.06,82.04 8.06,82.04 v2(8.64,81.47)
  In1.Cu w0.25: U12.17 47.63,20.07 46.17,21.52 29.53,21.52 v2(29.21,21.2)
  Bottom w0.25: 8.77,81.47 v2(8.64,81.47) ; 8.77,81.47 8.77,81.54 8.82,81.59 16.7,81.59 17.2,82.09 22.99,82.09 23.52,82.63 v2(29.21,82.63) ; 8.77,81.47 8.89,81.59
~{IO_PIC}: length 47.5
  Top w0.25: v2(72.64,17.13) 72.64,37.85 U11.1
  Bottom w0.25: v2(72.64,17.13) 72.52,17 50.93,17 50.16,17.76 U12.16
~{IO_TIMER}: length 115.7
  Top w0.25: v2(79,88.77) 79.25,89.02 79.25,91.69 v2(78.61,92.33) ; v2(52.58,92.33) 51.59,91.34 51.59,21.56 52.71,20.45 U12.15
  Bottom w0.25: v2(79,88.77) 79.13,88.65 90.81,88.65 ; v2(52.58,92.33) 52.71,92.2 78.49,92.2 v2(78.61,92.33)
~{MEMRD}: length 119
  Top w0.25: U12.11 45.09,6.73 43.69,8.13 v2(43.69,22.1) ; v2(22.72,82.68) 22.85,82.55 22.85,22.35 v2(22.72,22.22)
  Bottom w0.25: v2(43.69,22.1) 43.56,22.22 v2(22.72,22.22) ; v2(22.72,82.68) 22.59,82.54 17.01,82.54 16.51,82.04 4.06,82.04
~{MEMWR}: length 125.1
  Top w0.25: v2(23.17,6.35) 23.3,6.47 23.3,84.99 v2(23.49,85.19)
  Bottom w0.25: v2(23.49,85.19) 23.39,85.08 9.9,85.08 9.4,84.58 4.06,84.58 ; v2(23.17,6.35) 47.37,6.35 47.63,6.1 U12.12
~{RD}: length 306.8
  Top w0.25: v2(78.55,90.72) 78.49,90.65 78.49,90.3 78.43,90.24 78.43,34.61 76.58,32.77 74.93,32.77 ; v2(22.27,72.49) 22.4,72.36 22.4,22.75 22.15,22.5 22.15,19.51 U12.27 ; v2(153.49,90.72) 153.49,89.7 155.83,87.36 155.83,57.15 154.31,55.63
  In1.Cu w0.25: U12.27 22.23,21.87 22.15,21.95 22.15,24.56 25.96,28.37 36.72,28.37 40.59,32.25 41.3,32.25 41.93,32.89 73.36,32.89 73.48,32.77 74.93,32.77
  Bottom w0.25: v2(153.49,90.72) 153.45,90.72 153.33,90.59 99.02,90.59 97.22,92.39 94.55,92.39 93.34,91.19 U10.22 89.36,91.19 88.76,90.59 78.68,90.59 v2(78.55,90.72) ; 4.06,71.88 9.14,71.88 9.62,72.36 22.15,72.36 v2(22.27,72.49)
~{ROMRD}: length 92.8
  Top w0.25: v2(50.93,67.44) 51.14,67.22 51.14,6.94 50.16,5.97 U12.13
  Bottom w0.25: U9.20 41.91,68.33 42.94,67.3 51.19,67.3 ; 51.19,67.3 54.35,67.3 55.37,68.33 U8.20 ; 51.19,67.3 51.06,67.3 v2(50.93,67.44)
~{VGA_IO}: length 89.9
  Top w0.25: v2(25.27,70.23) 25.15,69.98 25.1,69.93 25.1,21.84 v2(25.54,21.4) ; v2(8.64,69.72) 8.26,69.34 4.06,69.34
  Bottom w0.25: v2(25.54,21.4) 25.91,21.77 42.11,21.77 42.55,21.34 U12.19 ; v2(25.27,70.23) 20.96,70.23 20.41,69.84 18.96,69.84 18.95,69.85 8.76,69.85 v2(8.64,69.72)
~{VGA_MEM}: length 93.5
  Top w0.25: v2(9.65,69.15) 9.65,70.35 8.12,71.88 4.06,71.88 ; v2(25.67,69.6) 25.67,69.7 25.65,69.72 25.62,69.72 25.55,69.66 25.55,22.73 25.61,22.73 v2(25.67,22.8)
  Bottom w0.25: v2(9.65,69.15) 10.22,69.15 10.47,69.4 18.77,69.4 18.77,69.39 24.16,69.39 24.37,69.6 v2(25.67,69.6) ; U12.18 45.09,22.35 44.76,22.68 26.09,22.68 26.04,22.73 25.78,22.73 25.71,22.8 v2(25.67,22.8)
~{WR}: length 376.3
  Top w0.25: v2(60.06,35.31) 60.06,28.62 60.76,27.92 60.76,16 60.51,15.75 U14.1 ; U12.1 19.69,5.46 20.8,6.58 20.8,22.42 21.5,23.12 21.5,71.77 21.25,72.02 21.25,73.72 v2(21.7,74.17) ; U11.2 77.09,35.31 77.98,36.19 v2(77.98,93.6) ; v2(154.09,91.08) 156.07,91.08 157.34,89.82 157.34,87.61 156.97,87.25 156.97,87.12 156.91,87.06 156.91,48.13 v2(157.04,48.01)
  In1.Cu w0.25: U12.1 19.69,5.64 20.74,6.69 20.74,22.71 20.35,23.09 20.35,23.78 32.13,35.56 59.81,35.56 v2(60.06,35.31) U11.2
  Bottom w0.25: 4.06,74.42 4.07,74.43 21.44,74.43 v2(21.7,74.17) ; v2(154.09,91.08) 153.84,91.33 153.18,91.33 152.89,91.04 99.21,91.04 97.41,92.84 92.96,92.84 92.08,93.73 U10.23 90.68,93.6 v2(77.98,93.6) ; v2(157.04,48.01) U4.29
